# Allegro board 8880F5-0823_9.brd (continued)
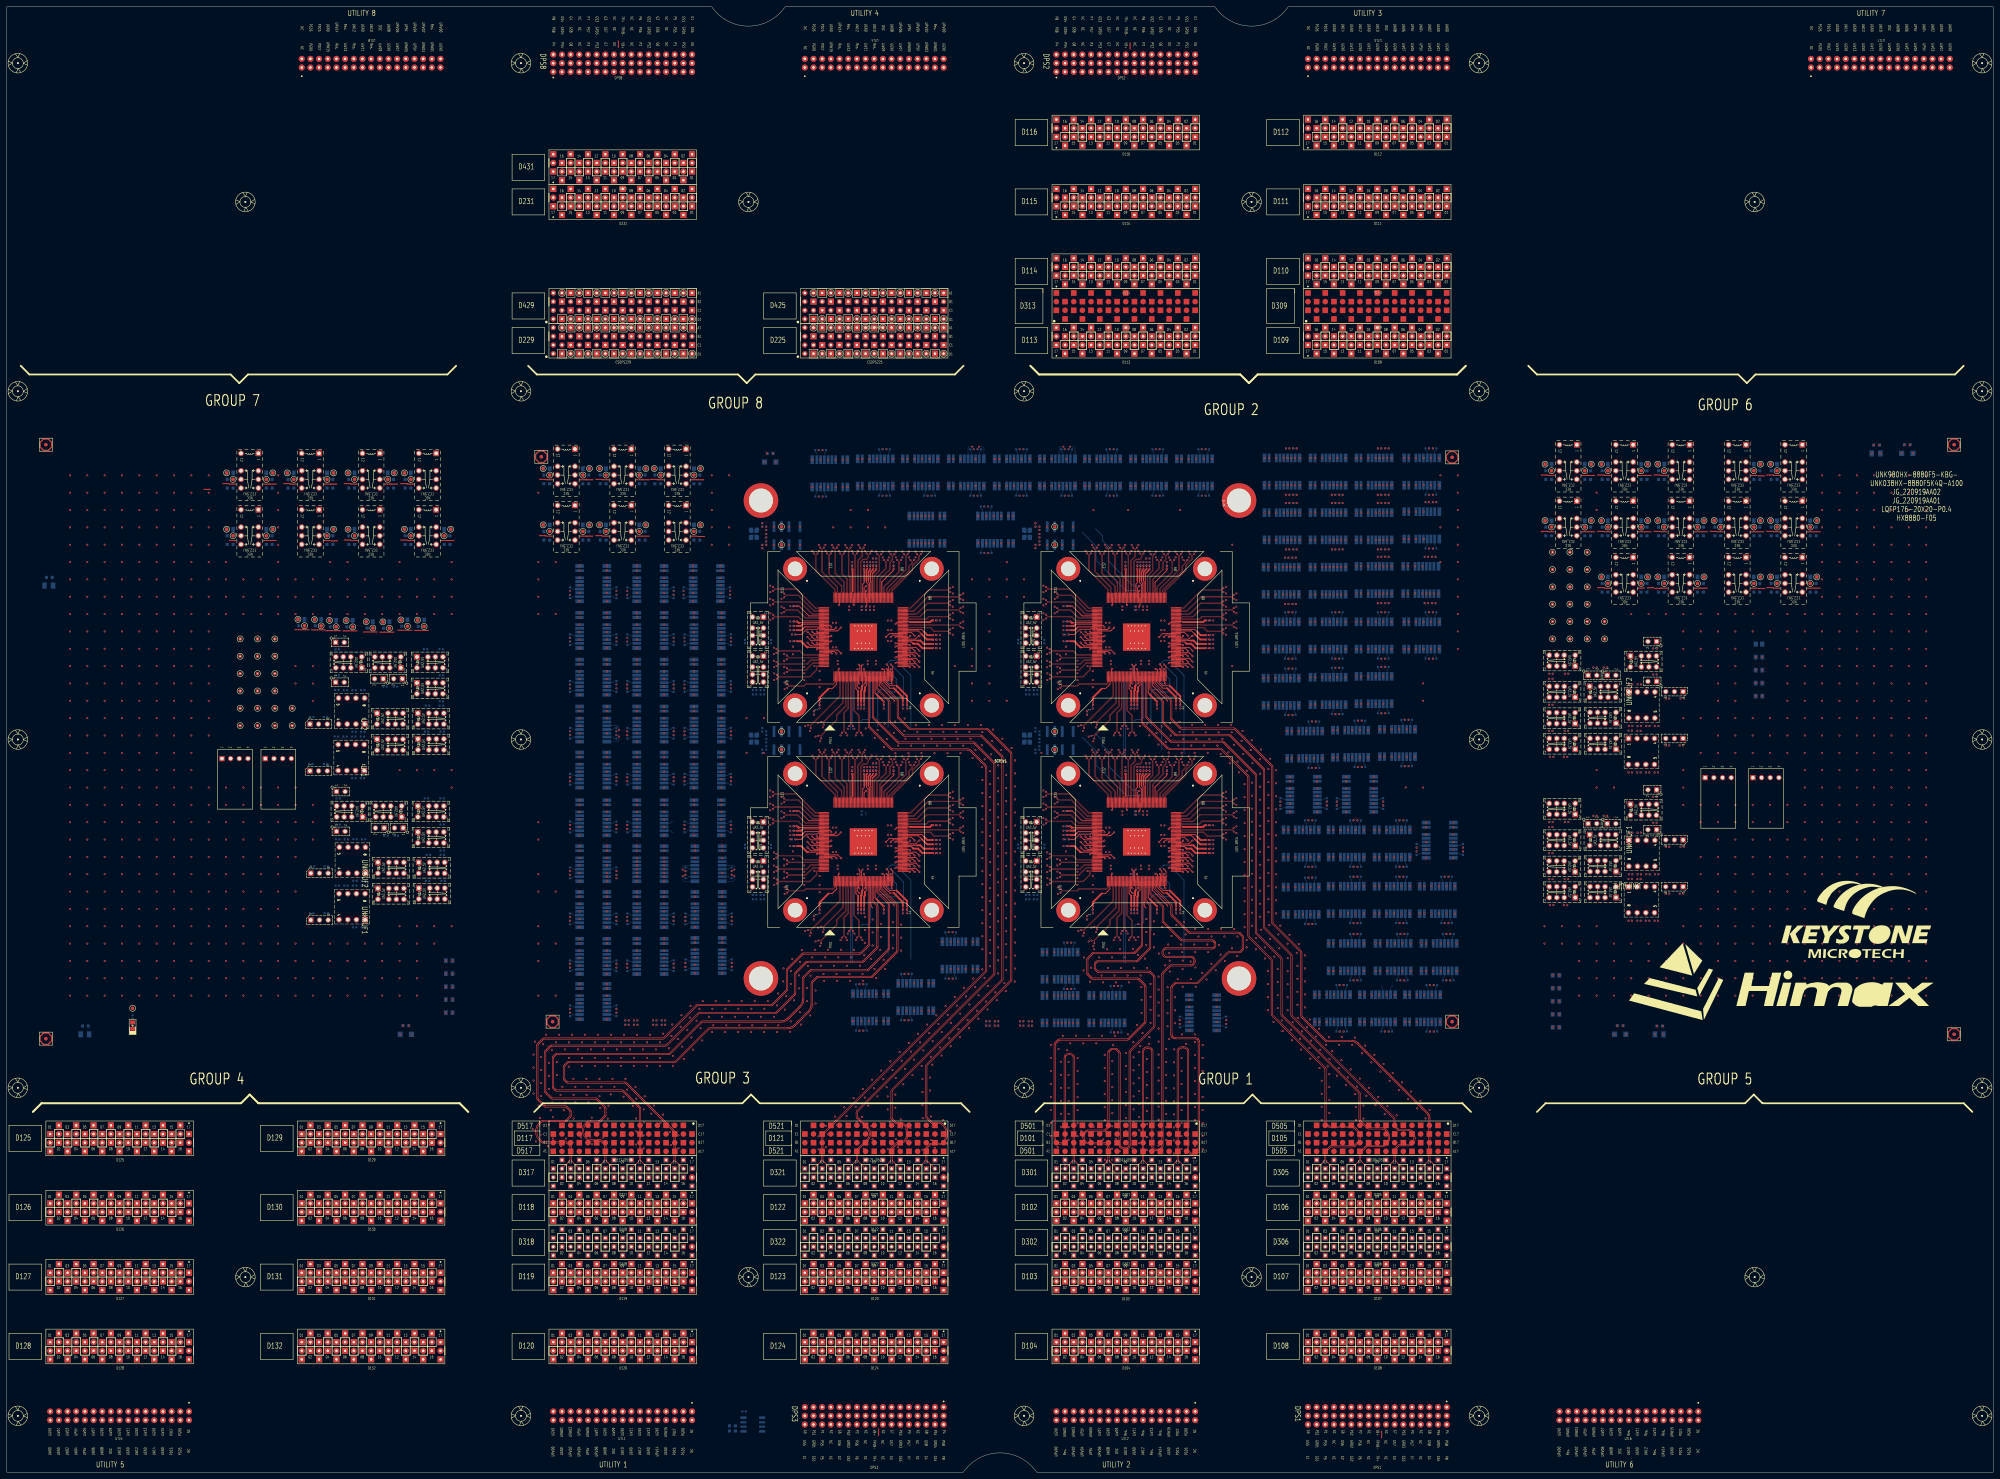
[diagram p0: board, top side]
## Placement (name value [footprint] x y rotation side) (continued)
NOREF  -  []  392.24 199.18 90 top
NOREF#2  -  []  383.09 241.11 0 top
NOREF#3  -  []  199.59 230.19 90 top
NOREF#4  -  []  175.7 168.6 90 top
NOREF#5  -  []  259.65 204.65 90 top
NOREF#6  -  []  182.82 230.19 90 top
NOREF#7  -  []  299.81 213.69 90 top
NOREF#8  -  []  211.11 173.86 90 top
NOREF#9  -  []  216.96 180.71 0 top
NOREF#10  -  []  230.43 183.09 0 top
NOREF#11  -  []  175.7 141.67 90 top
NOREF#12  -  []  337.9 186.35 90 top
NOREF#13  -  []  450.03 191.31 0 top
NOREF#14  -  []  327.89 264.35 90 top
NOREF#15  -  []  333.4 205.55 0 top
NOREF#16  -  []  468.85 259.9 90 top
NOREF#17  -  []  167.7 147.28 90 top
NOREF#18  -  []  222.11 240.71 0 top
NOREF#19  -  []  471.11 230.2 0 top
NOREF#20  -  []  192.57 187.82 90 top
NOREF#21  -  []  208.98 259.8 90 top
NOREF#22  -  []  263.95 224.74 90 top
NOREF#23  -  []  246.63 130.24 90 top
NOREF#24  -  []  417.87 257.37 0 top
NOREF#25  -  []  184.89 254.6 90 top
NOREF#26  -  []  339.65 264.65 90 top
NOREF#27  -  []  167.7 255.15 90 top
NOREF#28  -  []  352.55 189.5 0 top
NOREF#29  -  []  385.61 208.66 90 top
NOREF#30  -  []  309.21 248.88 0 top
NOREF#31  -  []  230.43 248.88 90 top
NOREF#32  -  []  182.57 240.28 0 top
NOREF#33  -  []  456.04 179.06 0 top
NOREF#34  -  []  259.97 264.35 90 top
NOREF#35  -  []  369.38 241.11 0 top
NOREF#36  -  []  331.62 205.56 0 top
NOREF#37  -  []  461.96 210.36 0 top
NOREF#38  -  []  333.72 265.86 90 top
NOREF#39  -  []  107.02 179.19 0 top
NOREF#40  -  []  165.8 158.5 0 top
NOREF#41  -  []  398.65 209.36 90 top
NOREF#42  -  []  337.09 223.52 90 top
NOREF#43  -  []  333.72 204.65 90 top
NOREF#44  -  []  394.66 290.39 90 top
NOREF#45  -  []  127.55 219.13 90 top
NOREF#46  -  []  309.21 246.34 0 top
NOREF#47  -  []  259.45 288.86 90 top
NOREF#48  -  []  377.32 188.15 0 top
NOREF#49  -  []  118.74 210.19 90 top
NOREF#50  -  []  259.65 205.86 90 top
NOREF#51  -  []  165.8 212.85 90 top
NOREF#52  -  []  252.51 265.55 0 top
NOREF#53  -  []  352.24 189.18 90 top
NOREF#54  -  []  386.33 207.21 90 top
NOREF#55  -  []  424.47 163.19 90 top
NOREF#56  -  []  375.22 180.15 0 top
NOREF#57  -  []  199.59 158.5 90 top
NOREF#58  -  []  230.43 188.88 90 top
NOREF#59  -  []  230.73 193.69 0 top
NOREF#60  -  []  259.33 205.55 0 top
NOREF#61  -  []  111.54 287.84 90 top
NOREF#62  -  []  351.04 242.96 0 top
NOREF#63  -  []  397.38 146.88 90 top
NOREF#64  -  []  168.69 276.04 90 top
NOREF#65  -  []  237.66 224.72 0 top
NOREF#66  -  []  401.52 210.88 90 top
NOREF#67  -  []  254.29 264.35 90 top
NOREF#68  -  []  192.57 256.4 90 top
NOREF#69  -  []  309.21 253.37 0 top
NOREF#70  -  []  382.82 180.15 0 top
NOREF#71  -  []  263.31 164.74 0 top
NOREF#72  -  []  247.57 264.65 90 top
NOREF#73  -  []  251.05 264.65 90 top
NOREF#74  -  []  209.23 202.99 90 top
NOREF#75  -  []  327.25 265.55 0 top
NOREF#76  -  []  271.04 244.23 0 top
NOREF#77  -  []  302.71 132.91 90 top
NOREF#78  -  []  118.99 171.65 0 top
NOREF#79  -  []  410.52 289.12 0 top
NOREF#80  -  []  272.55 185.18 0 top
NOREF#81  -  []  352.25 184.23 0 top
NOREF#82  -  []  373.68 249.11 0 top
NOREF#83  -  []  456.08 214.96 0 top
NOREF#84  -  []  419.9 240.56 90 top
NOREF#85  -  []  272.25 242.96 0 top
NOREF#86  -  []  253.4 265.55 0 top
NOREF#87  -  []  373.68 232.6 0 top
NOREF#88  -  []  199.33 226.57 90 top
NOREF#89  -  []  275.82 296.86 0 top
NOREF#90  -  []  249.6 223.52 90 top
NOREF#91  -  []  310.43 243.09 90 top
NOREF#92  -  []  217.41 273.24 0 top
NOREF#93  -  []  167.7 233.47 90 top
NOREF#94  -  []  327.7 131.09 90 top
NOREF#95  -  []  250.18 242.88 0 top
NOREF#96  -  []  192.47 168.6 90 top
NOREF#97  -  []  390.94 273.16 90 top
NOREF#98  -  []  390.69 273.11 0 top
NOREF#99  -  []  401.89 180.15 0 top
NOREF#100  -  []  237.2 296.61 0 top
NOREF#101  -  []  289.29 296.86 0 top
NOREF#102  -  []  194.09 255.9 90 top
NOREF#103  -  []  319.33 176.03 0 top
NOREF#104  -  []  121.9 231.22 0 top
NOREF#105  -  []  451.68 239.34 0 top
NOREF#106  -  []  166.06 216.47 90 top
NOREF#107  -  []  451.68 186.77 0 top
NOREF#108  -  []  405.93 272.56 90 top
NOREF#109  -  []  405.93 224.56 90 top
NOREF#110  -  []  407.77 255.47 0 top
NOREF#111  -  []  209.23 246.08 90 top
NOREF#112  -  []  300.36 248.49 0 top
NOREF#113  -  []  94.68 234.24 0 top
NOREF#114  -  []  317.05 288.86 0 top
NOREF#115  -  []  392.47 224.4 90 top
NOREF#116  -  []  403.41 209.61 0 top
NOREF#117  -  []  124.1 231.22 0 top
NOREF#118  -  []  182.57 185.42 0 top
NOREF#119  -  []  374.34 210.38 90 top
NOREF#120  -  []  271.34 241.37 0 top
NOREF#121  -  []  261.63 195.43 90 top
NOREF#122  -  []  375.73 199.18 90 top
NOREF#123  -  []  396.55 225.11 0 top
NOREF#124  -  []  392.04 241.11 90 top
NOREF#125  -  []  290.64 288.86 0 top
NOREF#126  -  []  341.48 286.96 0 top
NOREF#127  -  []  310.83 164.63 0 top
NOREF#128  -  []  250.5 288.86 0 top
NOREF#129  -  []  393.19 271.21 90 top
NOREF#130  -  []  395.2 249.11 0 top
NOREF#131  -  []  328.33 247.93 0 top
NOREF#132  -  []  366.88 239.21 0 top
NOREF#133  -  []  317.57 269.63 90 top
NOREF#134  -  []  405.93 240.66 90 top
NOREF#135  -  []  310.43 189.52 0 top
NOREF#136  -  []  379 288.57 90 top
NOREF#137  -  []  184.47 159.65 0 top
NOREF#138  -  []  424.98 146.33 90 top
NOREF#139  -  []  253.4 205.56 90 top
NOREF#140  -  []  317.57 209.63 90 top
NOREF#141  -  []  209.49 150.83 90 top
NOREF#142  -  []  313.98 131.09 90 top
NOREF#143  -  []  236.27 289.16 90 top
NOREF#144  -  []  278.6 147.38 0 top
NOREF#145  -  []  419.4 171.64 0 top
NOREF#146  -  []  184.47 260.9 90 top
NOREF#147  -  []  318.3 164.74 90 top
NOREF#148  -  []  319.15 296.86 0 top
NOREF#149  -  []  249.28 165.04 90 top
NOREF#150  -  []  392.24 199.18 90 top
NOREF#151  -  []  343.31 164.74 0 top
NOREF#152  -  []  75.98 290.38 90 top
NOREF#153  -  []  373.93 281.11 0 top
NOREF#154  -  []  241.6 296.61 0 top
NOREF#155  -  []  367.73 290.39 90 top
NOREF#156  -  []  327.7 131.19 90 top
NOREF#157  -  []  250.18 182.88 0 top
NOREF#158  -  []  327.57 205.86 90 top
NOREF#159  -  []  272.55 189.5 0 top
NOREF#160  -  []  316.43 132.91 90 top
NOREF#161  -  []  230.43 188.88 90 top
NOREF#162  -  []  352.55 241.37 0 top
NOREF#163  -  []  369.38 241.11 0 top
NOREF#164  -  []  423.71 181.22 90 top
NOREF#165  -  []  390.53 146.88 0 top
NOREF#166  -  []  410.27 257.37 0 top
NOREF#167  -  []  230.73 186.66 0 top
NOREF#168  -  []  119.99 214.79 0 top
NOREF#169  -  []  387.08 154.88 0 top
NOREF#170  -  []  352.24 243.59 90 top
NOREF#171  -  []  209.23 222.95 90 top
NOREF#172  -  []  118.74 215.34 0 top
NOREF#173  -  []  390.53 188.15 0 top
NOREF#174  -  []  167.7 186.57 0 top
NOREF#175  -  []  66.26 290.38 90 top
NOREF#176  -  []  106.29 174.19 90 top
NOREF#177  -  []  463.11 230.2 0 top
NOREF#178  -  []  327.57 264.65 90 top
NOREF#179  -  []  377.23 289.12 0 top
NOREF#180  -  []  175.7 246.08 90 top
NOREF#181  -  []  238.3 288.61 0 top
NOREF#182  -  []  412.62 241.11 0 top
NOREF#183  -  []  247.25 265.55 0 top
NOREF#184  -  []  342.36 163.82 90 top
NOREF#185  -  []  331.54 252.73 90 top
NOREF#186  -  []  310.41 193.37 90 top
NOREF#187  -  []  251.62 205.56 90 top
NOREF#188  -  []  199.33 226.57 0 top
NOREF#189  -  []  386.53 181.42 90 top
NOREF#190  -  []  106.11 234.24 0 top
NOREF#191  -  []  201.49 173.11 90 top
NOREF#192  -  []  392.66 192.88 90 top
NOREF#193  -  []  253.33 241.33 90 top
NOREF#194  -  []  194.09 146.68 90 top
NOREF#195  -  []  272.25 182.32 90 top
NOREF#196  -  []  405.93 288.57 90 top
NOREF#197  -  []  339.65 264.65 90 top
NOREF#198  -  []  184.47 227.72 90 top
NOREF#199  -  []  165.8 171.96 0 top
NOREF#200  -  []  334.29 265.56 0 top
NOREF#201  -  []  273.09 288.41 90 top
NOREF#202  -  []  424.55 146.88 90 top
NOREF#203  -  []  330.73 205.56 0 top
NOREF#204  -  []  461.86 230.75 0 top
NOREF#205  -  []  396.28 146.93 90 top
NOREF#206  -  []  351.04 245.5 0 top
NOREF#207  -  []  351.04 189.82 0 top
NOREF#208  -  []  397.8 163.09 90 top
NOREF#209  -  []  327.57 264.65 90 top
NOREF#210  -  []  251.05 265.86 90 top
NOREF#211  -  []  384.59 179.7 90 top
NOREF#212  -  []  338.2 186.67 0 top
NOREF#213  -  []  309.21 243.09 0 top
NOREF#214  -  []  168.13 254.6 90 top
NOREF#215  -  []  331.38 223.52 90 top
NOREF#216  -  []  118.7 222.88 0 top
NOREF#217  -  []  256.77 223.82 90 top
NOREF#218  -  []  293.31 272.1 0 top
NOREF#219  -  []  471.21 211.76 0 top
NOREF#220  -  []  247.78 140.14 0 top
NOREF#221  -  []  326.43 288.41 90 top
NOREF#222  -  []  184.47 149.48 90 top
NOREF#223  -  []  403.41 209.61 0 top
NOREF#224  -  []  259.97 204.35 90 top
NOREF#225  -  []  352.25 242.32 90 top
NOREF#226  -  []  383.73 198.08 90 top
NOREF#227  -  []  400.54 171.64 0 top
NOREF#228  -  []  230.43 193.37 90 top
NOREF#229  -  []  182.82 175.58 90 top
NOREF#230  -  []  384.08 209.16 90 top
NOREF#231  -  []  368.03 249.11 0 top
NOREF#232  -  []  259.33 265.56 0 top
NOREF#233  -  []  175.7 216.45 90 top
NOREF#234  -  []  295.19 271.65 90 top
NOREF#235  -  []  473.79 239.64 0 top
NOREF#236  -  []  375.22 180.15 0 top
NOREF#237  -  []  397.8 146.43 90 top
NOREF#238  -  []  122.15 222.33 0 top
NOREF#239  -  []  248.33 187.93 0 top
NOREF#240  -  []  339.46 288.86 90 top
NOREF#241  -  []  201.66 213.45 90 top
NOREF#242  -  []  119.95 195.15 0 top
NOREF#243  -  []  201.23 247.18 90 top
NOREF#244  -  []  463.61 171.53 0 top
NOREF#245  -  []  286.81 272.1 0 top
NOREF#246  -  []  251.05 204.65 90 top
NOREF#247  -  []  299.81 273.69 90 top
NOREF#248  -  []  398.53 178.25 90 top
NOREF#249  -  []  511.59 291.28 90 top
NOREF#250  -  []  343.83 231.63 90 top
NOREF#251  -  []  201.23 187.92 90 top
NOREF#252  -  []  251.62 205.55 0 top
NOREF#253  -  []  108.27 178.64 0 top
NOREF#254  -  []  192.47 209.49 90 top
NOREF#255  -  []  422.95 163.69 90 top
NOREF#256  -  []  259.33 265.55 0 top
NOREF#257  -  []  251.94 205.86 90 top
NOREF#258  -  []  253.4 205.55 0 top
NOREF#259  -  []  284.36 272.1 90 top
NOREF#260  -  []  395.2 281.11 0 top
NOREF#261  -  []  110.47 178.64 0 top
NOREF#262  -  []  118.7 217.73 90 top
NOREF#263  -  []  184.47 178.86 90 top
NOREF#264  -  []  380.59 255.21 0 top
NOREF#265  -  []  119.95 222.33 0 top
NOREF#266  -  []  184.47 163.2 90 top
NOREF#267  -  []  330.51 288.86 0 top
NOREF#268  -  []  229.51 249.2 0 top
NOREF#269  -  []  279.27 288.86 0 top
NOREF#270  -  []  448.94 290.38 90 top
NOREF#271  -  []  310.43 248.88 90 top
NOREF#272  -  []  385.19 265.11 0 top
NOREF#273  -  []  263.63 225.04 90 top
NOREF#274  -  []  419.47 273.37 90 top
NOREF#275  -  []  252.51 205.56 90 top
NOREF#276  -  []  399.99 164.91 90 top
NOREF#277  -  []  127.3 235.64 90 top
NOREF#278  -  []  115.36 235.64 90 top
NOREF#279  -  []  329.6 224.74 90 top
NOREF#280  -  []  222.11 180.71 0 top
NOREF#281  -  []  166.06 175.58 90 top
NOREF#282  -  []  396.55 225.11 0 top
NOREF#283  -  []  411.99 178.25 90 top
NOREF#284  -  []  310.41 187.61 90 top
NOREF#285  -  []  252.51 204.35 90 top
NOREF#286  -  []  124.64 171.1 0 top
NOREF#287  -  []  339.33 265.56 90 top
NOREF#288  -  []  410.52 241.11 0 top
NOREF#289  -  []  201.23 242.78 90 top
NOREF#290  -  []  408.02 271.47 0 top
NOREF#291  -  []  388.43 180.15 0 top
NOREF#292  -  []  450.03 182.17 0 top
NOREF#293  -  []  258.2 186.67 0 top
NOREF#294  -  []  394.05 223.21 0 top
NOREF#295  -  []  415.1 163.64 0 top
NOREF#296  -  []  314.55 286.96 0 top
NOREF#297  -  []  410.52 241.11 0 top
NOREF#298  -  []  451.68 171.53 0 top
NOREF#299  -  []  256.77 163.82 90 top
NOREF#300  -  []  391.8 209.36 0 top
NOREF#301  -  []  250.73 205.55 0 top
NOREF#302  -  []  374.88 217.11 0 top
NOREF#303  -  []  390.59 195.9 90 top
NOREF#304  -  []  327.25 264.35 90 top
NOREF#305  -  []  224.65 271.67 0 top
NOREF#306  -  []  261.42 135.74 90 top
NOREF#307  -  []  209.23 195.52 90 top
NOREF#308  -  []  385.19 273.11 0 top
NOREF#309  -  []  175.8 215.25 90 top
NOREF#310  -  []  201.49 149.73 90 top
NOREF#311  -  []  456.08 239.34 0 top
NOREF#312  -  []  320.42 131.64 0 top
NOREF#313  -  []  511.59 257.36 90 top
NOREF#314  -  []  250.49 163.52 90 top
NOREF#315  -  []  228.36 202.16 45 top
NOREF#316  -  []  339.65 204.65 90 top
NOREF#317  -  []  122.15 195.15 0 top
NOREF#318  -  []  272.24 241.05 90 top
NOREF#319  -  []  184.47 256.5 90 top
NOREF#320  -  []  337.09 164.74 90 top
NOREF#321  -  []  235.85 296.61 0 top
NOREF#322  -  []  463.61 179.15 0 top
NOREF#323  -  []  175.7 218.65 90 top
NOREF#324  -  []  242.23 233.13 90 top
NOREF#325  -  []  184.47 165.4 90 top
NOREF#326  -  []  451.68 186.77 0 top
NOREF#327  -  []  393.31 131.89 90 top
NOREF#328  -  []  332.51 264.35 90 top
NOREF#329  -  []  124.39 214.79 0 top
NOREF#330  -  []  96.58 195.15 0 top
NOREF#331  -  []  309.51 243.41 0 top
NOREF#332  -  []  192.57 147.18 90 top
NOREF#333  -  []  310.43 246.34 90 top
NOREF#334  -  []  165.8 158.5 90 top
NOREF#335  -  []  402.14 146.88 0 top
NOREF#336  -  []  341.63 255.43 90 top
NOREF#337  -  []  409.49 180.15 0 top
NOREF#338  -  []  387.39 265.11 0 top
NOREF#339  -  []  331.94 264.65 90 top
NOREF#340  -  []  200.98 260.9 90 top
NOREF#341  -  []  209.23 191.22 90 top
NOREF#342  -  []  301.56 242.89 0 top
NOREF#343  -  []  383.09 224.85 0 top
NOREF#344  -  []  344.37 128.27 0 top
NOREF#345  -  []  118.96 174.04 90 top
NOREF#346  -  []  352.24 249.18 90 top
NOREF#347  -  []  167.7 242.78 90 top
NOREF#348  -  []  172.08 272.6 90 top
NOREF#349  -  []  336.45 224.74 0 top
NOREF#350  -  []  471.21 175.95 0 top
NOREF#351  -  []  230.43 187.61 90 top
NOREF#352  -  []  271.34 182.64 0 top
NOREF#353  -  []  388.43 163.64 0 top
NOREF#354  -  []  184.47 215.35 90 top
NOREF#355  -  []  273.81 286.96 90 top
NOREF#356  -  []  559.43 297.18 90 top
NOREF#357  -  []  209.23 250.38 90 top
NOREF#358  -  []  263.95 163.52 90 top
NOREF#359  -  []  336.77 165.04 90 top
NOREF#360  -  []  306.27 216.63 90 top
NOREF#361  -  []  393.74 131.44 90 top
NOREF#362  -  []  201.49 178.86 90 top
NOREF#363  -  []  272.25 182.96 0 top
NOREF#364  -  []  254.61 264.65 90 top
NOREF#365  -  []  379.52 171.39 0 top
NOREF#366  -  []  93.76 271.33 90 top
NOREF#367  -  []  247.25 205.56 0 top
NOREF#368  -  []  209.33 242.68 90 top
NOREF#369  -  []  333.4 265.55 0 top
NOREF#370  -  []  192.57 201.79 90 top
NOREF#371  -  []  327.25 205.55 0 top
NOREF#372  -  []  201.23 201.89 90 top
NOREF#373  -  []  459.28 211.76 0 top
NOREF#374  -  []  351.04 184.23 0 top
NOREF#375  -  []  264.29 280.1 0 top
NOREF#376  -  []  459.28 227 90 top
NOREF#377  -  []  306.83 209.63 90 top
NOREF#378  -  []  247.89 264.35 90 top
NOREF#379  -  []  465.45 276.41 90 top
NOREF#380  -  []  397.8 163.19 90 top
NOREF#381  -  []  209.49 175.56 90 top
NOREF#382  -  []  385.18 209.11 90 top
NOREF#383  -  []  388.35 217.36 0 top
NOREF#384  -  []  201.23 231.27 90 top
NOREF#385  -  []  384.36 131.89 0 top
NOREF#386  -  []  216.96 252.14 0 top
NOREF#387  -  []  184.47 247.18 90 top
NOREF#388  -  []  310.43 247.61 0 top
NOREF#389  -  []  320.42 139.64 0 top
NOREF#390  -  []  409.49 163.64 0 top
NOREF#391  -  []  165.8 254 90 top
NOREF#392  -  []  250.73 205.56 90 top
NOREF#393  -  []  184.47 192.32 90 top
NOREF#394  -  []  271.04 241.69 0 top
NOREF#395  -  []  251.54 192.73 90 top
NOREF#396  -  []  388.43 146.88 0 top
NOREF#397  -  []  339.33 265.56 0 top
NOREF#398  -  []  369.63 289.12 0 top
NOREF#399  -  []  175.7 177.76 90 top
NOREF#400  -  []  399.07 208.91 90 top
NOREF#401  -  []  229.51 186.66 0 top
NOREF#402  -  []  352.25 245.5 0 top
NOREF#403  -  []  410.78 131.89 0 top
NOREF#404  -  []  309.51 187.93 0 top
NOREF#405  -  []  116.27 171.02 0 top
NOREF#406  -  []  461.96 210.36 0 top
NOREF#407  -  []  272.55 182.64 0 top
NOREF#408  -  []  398.65 297.12 0 top
NOREF#409  -  []  272.25 183.59 90 top
NOREF#410  -  []  251.06 225.04 90 top
NOREF#411  -  []  271.04 249.18 0 top
NOREF#412  -  []  296.96 252.14 0 top
NOREF#413  -  []  201.23 241.43 0 top
NOREF#414  -  []  461.86 230.75 0 top
NOREF#415  -  []  465.31 230.2 0 top
NOREF#416  -  []  234.7 298.51 0 top
NOREF#417  -  []  270.04 280.1 0 top
NOREF#418  -  []  262.36 225.04 90 top
NOREF#419  -  []  401.89 180.15 0 top
NOREF#420  -  []  245.15 288.66 90 top
NOREF#421  -  []  310.43 193.37 90 top
NOREF#422  -  []  346.08 288.86 0 top
NOREF#423  -  []  108.01 222.33 0 top
NOREF#424  -  []  272.66 288.86 90 top
NOREF#425  -  []  406.65 255.47 90 top
NOREF#426  -  []  379.01 272.66 90 top
NOREF#427  -  []  343.83 171.63 90 top
NOREF#428  -  []  182.57 240.28 90 top
NOREF#429  -  []  462.06 291.28 90 top
NOREF#430  -  []  199.84 162.12 90 top
NOREF#431  -  []  184.47 260.9 90 top
NOREF#432  -  []  385.36 194.18 90 top
NOREF#433  -  []  201.21 292.55 90 top
NOREF#434  -  []  400.24 198.08 90 top
NOREF#435  -  []  127.55 184.33 90 top
NOREF#436  -  []  412.88 131.89 0 top
NOREF#437  -  []  330.49 224.74 90 top
NOREF#438  -  []  252.43 132.14 0 top
NOREF#439  -  []  194.09 214.75 90 top
NOREF#440  -  []  208.98 257.6 90 top
NOREF#441  -  []  485.36 289.48 90 top
NOREF#442  -  []  408.02 287.22 0 top
NOREF#443  -  []  330.74 164.74 0 top
NOREF#444  -  []  251.38 163.52 90 top
NOREF#445  -  []  409.74 180.2 90 top
NOREF#446  -  []  184.47 206.29 90 top
NOREF#447  -  []  331.38 224.74 90 top
NOREF#448  -  []  341.63 173.83 90 top
NOREF#449  -  []  167.7 192.32 90 top
NOREF#450  -  []  378.75 224.15 90 top
NOREF#451  -  []  384.36 131.89 0 top
NOREF#452  -  []  420.88 129.99 90 top
NOREF#453  -  []  257.09 223.52 90 top
NOREF#454  -  []  167.7 227.72 90 top
NOREF#455  -  []  182.57 171.96 0 top
NOREF#456  -  []  397.38 180.15 90 top
NOREF#457  -  []  406.19 171.64 0 top
NOREF#458  -  []  390.53 154.88 0 top
NOREF#459  -  []  453.88 239.34 0 top
NOREF#460  -  []  330.73 265.56 0 top
NOREF#461  -  []  399.07 208.81 90 top
NOREF#462  -  []  289.01 272.1 0 top
NOREF#463  -  []  460.89 217.9 90 top
NOREF#464  -  []  317.05 288.86 0 top
NOREF#465  -  []  518.38 290.38 90 top
NOREF#466  -  []  317.98 225.04 90 top
NOREF#467  -  []  192.47 246.08 90 top
NOREF#468  -  []  338.2 246.67 0 top
NOREF#469  -  []  485.36 259.9 90 top
NOREF#470  -  []  336.77 163.82 90 top
NOREF#471  -  []  324.65 288.86 0 top
NOREF#472  -  []  182.57 158.5 90 top
NOREF#473  -  []  274.37 147.93 90 top
NOREF#474  -  []  415.1 163.64 0 top
NOREF#475  -  []  392.47 256.66 90 top
NOREF#476  -  []  337.09 163.52 90 top
NOREF#477  -  []  182.57 254 0 top
NOREF#478  -  []  286.55 288.41 90 top
NOREF#479  -  []  383.09 241.11 0 top
NOREF#480  -  []  250.49 224.74 90 top
NOREF#481  -  []  420.62 239.21 90 top
NOREF#482  -  []  461.86 225.6 90 top
NOREF#483  -  []  219.81 273.69 90 top
NOREF#484  -  []  331.05 204.65 90 top
NOREF#485  -  []  239.33 176.03 0 top
NOREF#486  -  []  459.28 192.71 0 top
NOREF#487  -  []  332.83 204.65 90 top
NOREF#488  -  []  271.04 249.82 0 top
NOREF#489  -  []  250.73 205.56 0 top
NOREF#490  -  []  282.9 147.38 0 top
NOREF#491  -  []  294.94 296.86 0 top
NOREF#492  -  []  223.56 245.29 90 top
NOREF#493  -  []  332.83 264.65 90 top
NOREF#494  -  []  403.99 171.64 0 top
NOREF#495  -  []  424.98 146.43 90 top
NOREF#496  -  []  459.28 183.57 0 top
NOREF#497  -  []  252.51 205.55 0 top
NOREF#498  -  []  329.85 164.74 0 top
NOREF#499  -  []  410.52 273.37 0 top
NOREF#500  -  []  182.82 216.47 90 top
NOREF#501  -  []  394.66 274.38 90 top
NOREF#502  -  []  302.11 240.71 0 top
NOREF#503  -  []  317.66 224.74 0 top
NOREF#504  -  []  343.95 223.52 90 top
NOREF#505  -  []  297.41 213.24 0 top
NOREF#506  -  []  396.55 289.12 0 top
NOREF#507  -  []  317.83 257.63 0 top
NOREF#508  -  []  251.62 205.56 0 top
NOREF#509  -  []  327.57 204.65 90 top
NOREF#510  -  []  288.14 286.96 0 top
NOREF#511  -  []  172.08 275.14 90 top
NOREF#512  -  []  175.8 242.68 90 top
NOREF#513  -  []  247.57 265.86 90 top
NOREF#514  -  []  401.89 163.64 0 top
NOREF#515  -  []  101.82 273.87 90 top
NOREF#516  -  []  231.15 159.63 90 top
NOREF#517  -  []  332.51 265.56 90 top
NOREF#518  -  []  251.38 223.52 90 top
NOREF#519  -  []  219.81 213.69 90 top
NOREF#520  -  []  352.25 243.59 90 top
NOREF#521  -  []  306.71 139.64 0 top
NOREF#522  -  []  128.05 271.33 90 top
NOREF#523  -  []  411.99 161.74 90 top
NOREF#524  -  []  465.81 171.53 0 top
NOREF#525  -  []  412.79 209.06 90 top
NOREF#526  -  []  381.74 249.11 0 top
NOREF#527  -  []  221.56 179.06 0 top
NOREF#528  -  []  479.44 239.09 0 top
NOREF#529  -  []  351.04 249.82 0 top
NOREF#530  -  []  303.84 288.86 0 top
NOREF#531  -  []  306.71 152.34 0 top
NOREF#532  -  []  175.8 201.79 90 top
NOREF#533  -  []  175.7 243.88 90 top
NOREF#534  -  []  221.87 295.91 0 top
NOREF#535  -  []  413.2 164.91 90 top
NOREF#536  -  []  309.21 247.61 0 top
NOREF#537  -  []  271.34 242.64 0 top
NOREF#538  -  []  485.36 257.36 90 top
NOREF#539  -  []  381.2 290.39 90 top
NOREF#540  -  []  127.95 222.33 0 top
NOREF#541  -  []  392.47 288.57 90 top
NOREF#542  -  []  398.65 289.12 0 top
NOREF#543  -  []  184.89 172.56 90 top
NOREF#544  -  []  35.83 132.61 0 top
NOREF#545  -  []  253.72 264.65 90 top
NOREF#546  -  []  463.11 186.77 0 top
NOREF#547  -  []  184.89 240.88 90 top
NOREF#548  -  []  230.73 189.2 0 top
NOREF#549  -  []  411.26 209.66 90 top
NOREF#550  -  []  284.77 288.86 0 top
NOREF#551  -  []  254.29 265.56 90 top
NOREF#552  -  []  475.04 195.66 0 top
NOREF#553  -  []  309.05 211.67 0 top
NOREF#554  -  []  250.74 164.74 0 top
NOREF#555  -  []  334.61 204.65 90 top
NOREF#556  -  []  175.8 256.4 90 top
NOREF#557  -  []  342.08 290.13 90 top
NOREF#558  -  []  167.7 244.98 90 top
NOREF#559  -  []  241.82 167.13 90 top
NOREF#560  -  []  108.01 195.15 0 top
NOREF#561  -  []  369.38 257.11 0 top
NOREF#562  -  []  230.43 243.09 0 top
NOREF#563  -  []  468.01 214.96 0 top
NOREF#564  -  []  306.85 211.67 0 top
NOREF#565  -  []  397.57 131.89 0 top
NOREF#566  -  []  218.13 214.06 0 top
NOREF#567  -  []  309.51 183.41 0 top
NOREF#568  -  []  371.73 281.11 0 top
NOREF#569  -  []  330.74 164.72 0 top
NOREF#570  -  []  238.3 163.52 90 top
NOREF#571  -  []  230.43 183.09 90 top
NOREF#572  -  []  295.96 177.06 0 top
NOREF#573  -  []  167.7 176.66 90 top
NOREF#574  -  []  200.98 256.5 90 top
NOREF#575  -  []  223.56 233.86 90 top
NOREF#576  -  []  199.59 158.5 0 top
NOREF#577  -  []  339.89 288.41 90 top
NOREF#578  -  []  230.83 224.63 0 top
NOREF#579  -  []  404.15 225.11 0 top
NOREF#580  -  []  392.73 171.64 0 top
NOREF#581  -  []  290.11 280.1 0 top
NOREF#582  -  []  471.21 168.33 90 top
NOREF#583  -  []  384.59 162.84 90 top
NOREF#584  -  []  346.08 296.86 0 top
NOREF#585  -  []  285.02 288.91 90 top
NOREF#586  -  []  306.71 144.34 0 top
NOREF#587  -  []  251.62 264.35 90 top
NOREF#588  -  []  101.82 271.33 90 top
NOREF#589  -  []  167.7 217.55 90 top
NOREF#590  -  []  401.89 163.64 0 top
NOREF#591  -  []  230.43 193.37 90 top
NOREF#592  -  []  302.11 129.74 0 top
NOREF#593  -  []  229.21 246.34 0 top
NOREF#594  -  []  352.25 249.18 90 top
NOREF#595  -  []  122.41 178.64 0 top
NOREF#596  -  []  390.69 224.85 0 top
NOREF#597  -  []  310.43 248.88 0 top
NOREF#598  -  []  260.55 136.46 90 top
NOREF#599  -  []  378.33 257.11 90 top
NOREF#600  -  []  218.16 177.06 0 top
NOREF#601  -  []  120.21 178.64 0 top
NOREF#602  -  []  387.39 297.12 0 top
NOREF#603  -  []  201.23 214 90 top
NOREF#604  -  []  250.73 265.56 0 top
NOREF#605  -  []  115.36 235.64 0 top
NOREF#606  -  []  272.25 242.32 90 top
NOREF#607  -  []  168.13 145.38 90 top
NOREF#608  -  []  369.38 241.11 0 top
NOREF#609  -  []  459.28 236.14 90 top
NOREF#610  -  []  418.37 241.16 90 top
NOREF#611  -  []  468.85 257.36 90 top
NOREF#612  -  []  167.7 134.07 90 top
NOREF#613  -  []  310.43 246.34 0 top
NOREF#614  -  []  412.62 289.12 0 top
NOREF#615  -  []  287.91 280.1 0 top
NOREF#616  -  []  303.15 271.32 90 top
NOREF#617  -  []  301.56 171.46 0 top
NOREF#618  -  []  463.61 214.96 0 top
NOREF#619  -  []  396.03 163.64 0 top
NOREF#620  -  []  412.62 273.37 0 top
NOREF#621  -  []  271.34 183.91 0 top
NOREF#622  -  []  378.33 241.11 90 top
NOREF#623  -  []  271.34 245.18 0 top
NOREF#624  -  []  167.7 178.86 90 top
NOREF#625  -  []  272.25 185.5 0 top
NOREF#626  -  []  375.22 180.15 0 top
NOREF#627  -  []  248.96 224.72 0 top
NOREF#628  -  []  456.08 195.91 0 top
NOREF#629  -  []  237.66 224.74 0 top
NOREF#630  -  []  453.88 195.91 0 top
NOREF#631  -  []  387.08 188.15 0 top
NOREF#632  -  []  221.56 239.06 0 top
NOREF#633  -  []  353.35 288.31 90 top
NOREF#634  -  []  271.04 185.5 0 top
NOREF#635  -  []  246.23 173.13 0 top
NOREF#636  -  []  311.69 288.91 90 top
NOREF#637  -  []  230.43 253.37 90 top
NOREF#638  -  []  336.45 164.72 0 top
NOREF#639  -  []  373.83 192.28 0 top
NOREF#640  -  []  310.73 183.41 0 top
NOREF#641  -  []  251.54 252.73 90 top
NOREF#642  -  []  343.63 163.82 90 top
NOREF#643  -  []  238.3 224.74 90 top
NOREF#644  -  []  386.46 139.89 0 top
NOREF#645  -  []  262.36 223.82 90 top
NOREF#646  -  []  342.04 224.74 0 top
NOREF#647  -  []  415.1 163.64 0 top
NOREF#648  -  []  399.64 144.98 0 top
NOREF#649  -  []  395.2 297.12 0 top
NOREF#650  -  []  385.93 144.98 0 top
NOREF#651  -  []  411.52 146.43 90 top
NOREF#652  -  []  251.62 265.56 90 top
NOREF#653  -  []  409.17 297.12 0 top
NOREF#654  -  []  369.38 224.6 0 top
NOREF#655  -  []  461.96 166.93 0 top
NOREF#656  -  []  168.13 172.56 90 top
NOREF#657  -  []  459.24 175.86 90 top
NOREF#658  -  []  450.03 166.93 0 top
NOREF#659  -  []  321.82 167.13 90 top
NOREF#660  -  []  167.7 192.32 90 top
NOREF#661  -  []  473.7 176.22 90 top
NOREF#662  -  []  331.38 163.52 90 top
NOREF#663  -  []  263.14 270.2 90 top
NOREF#664  -  []  330.17 223.82 90 top
NOREF#665  -  []  472.86 166.93 90 top
NOREF#666  -  []  378.33 217.11 0 top
NOREF#667  -  []  425.23 180.72 90 top
NOREF#668  -  []  167.7 145.93 0 top
NOREF#669  -  []  250.5 288.86 0 top
NOREF#670  -  []  405.93 240.56 90 top
NOREF#671  -  []  327.25 205.56 90 top
NOREF#672  -  []  220.36 188.49 0 top
NOREF#673  -  []  419.47 289.12 90 top
NOREF#674  -  []  313.94 286.96 90 top
NOREF#675  -  []  182.57 144.78 90 top
NOREF#676  -  []  221.56 171.46 0 top
NOREF#677  -  []  256.45 164.72 0 top
NOREF#678  -  []  209.33 201.79 90 top
NOREF#679  -  []  96.58 195.15 0 top
NOREF#680  -  []  419.9 272.92 90 top
NOREF#681  -  []  327.57 204.65 90 top
NOREF#682  -  []  217.41 213.24 90 top
NOREF#683  -  []  201.66 227.17 90 top
NOREF#684  -  []  379.48 255.21 90 top
NOREF#685  -  []  253.4 265.56 0 top
NOREF#686  -  []  344.37 128.27 90 top
NOREF#687  -  []  272.24 249.18 90 top
NOREF#688  -  []  331.62 265.56 0 top
NOREF#689  -  []  388.43 163.64 0 top
NOREF#690  -  []  352.55 249.5 0 top
NOREF#691  -  []  463.61 214.96 0 top
NOREF#692  -  []  400.91 207.71 0 top
NOREF#693  -  []  184.47 190.12 90 top
NOREF#694  -  []  272.24 182.32 90 top
NOREF#695  -  []  247.25 265.55 0 top
NOREF#696  -  []  341.63 233.83 90 top
NOREF#697  -  []  330.73 205.55 0 top
NOREF#698  -  []  419.64 256.82 90 top
NOREF#699  -  []  381.74 281.11 0 top
NOREF#700  -  []  222.11 192.14 0 top
NOREF#701  -  []  389.7 209.36 0 top
NOREF#702  -  []  409.17 249.11 0 top
NOREF#703  -  []  283.21 282 0 top
NOREF#704  -  []  252.51 264.35 90 top
NOREF#705  -  []  388.43 146.88 0 top
NOREF#706  -  []  408.02 239.21 0 top
NOREF#707  -  []  408.63 290.39 90 top
NOREF#708  -  []  385.61 208.56 90 top
NOREF#709  -  []  306.85 271.67 0 top
NOREF#710  -  []  312.25 211.67 90 top
NOREF#711  -  []  296.96 192.14 0 top
NOREF#712  -  []  310.73 189.2 0 top
NOREF#713  -  []  167.7 159.65 90 top
NOREF#714  -  []  117.33 247.35 90 top
NOREF#715  -  []  167.7 247.18 90 top
NOREF#716  -  []  300.36 188.49 0 top
NOREF#717  -  []  317.05 288.86 0 top
NOREF#718  -  []  201.49 174.46 90 top
NOREF#719  -  []  247.78 132.14 90 top
NOREF#720  -  []  409.99 146.93 90 top
NOREF#721  -  []  262.68 223.52 90 top
NOREF#722  -  []  201.23 206.29 90 top
NOREF#723  -  []  385.19 281.11 0 top
NOREF#724  -  []  317.98 223.82 90 top
NOREF#725  -  []  310.43 194.01 0 top
NOREF#726  -  []  262.68 164.74 90 top
NOREF#727  -  []  110.21 222.33 0 top
NOREF#728  -  []  273.5 148.65 90 top
NOREF#729  -  []  263.2 172.26 90 top
NOREF#730  -  []  239.33 236.03 90 top
NOREF#731  -  []  184.47 227.72 0 top
NOREF#732  -  []  398.65 225.11 0 top
NOREF#733  -  []  237.83 257.63 0 top
NOREF#734  -  []  88.64 247.45 90 top
NOREF#735  -  []  377.23 257.16 90 top
NOREF#736  -  []  327.27 131.64 90 top
NOREF#737  -  []  403.41 209.61 0 top
NOREF#738  -  []  304.61 144.34 0 top
NOREF#739  -  []  128.05 273.87 90 top
NOREF#740  -  []  331.86 252.43 90 top
NOREF#741  -  []  406.52 131.89 90 top
NOREF#742  -  []  369.63 289.12 0 top
NOREF#743  -  []  318.32 131.64 0 top
NOREF#744  -  []  115.87 167.82 90 top
NOREF#745  -  []  465.45 273.87 90 top
NOREF#746  -  []  251.62 265.55 0 top
NOREF#747  -  []  167.7 138.47 90 top
NOREF#748  -  []  175.7 205.19 90 top
NOREF#749  -  []  249.28 225.04 90 top
NOREF#750  -  []  254.29 205.55 0 top
NOREF#751  -  []  379.01 288.67 90 top
NOREF#752  -  []  182.57 226.57 0 top
NOREF#753  -  []  263.71 288.86 0 top
NOREF#754  -  []  351.34 241.37 0 top
NOREF#755  -  []  209.23 218.65 90 top
NOREF#756  -  []  167.7 260.9 90 top
NOREF#757  -  []  321.82 227.13 90 top
NOREF#758  -  []  165.8 171.96 90 top
NOREF#759  -  []  405.51 217.61 0 top
NOREF#760  -  []  108.01 222.33 0 top
NOREF#761  -  []  118.45 234.24 90 top
NOREF#762  -  []  175.8 174.36 90 top
NOREF#763  -  []  310.43 253.37 0 top
NOREF#764  -  []  66.26 287.84 90 top
NOREF#765  -  []  376.98 257.11 0 top
NOREF#766  -  []  250.17 163.82 90 top
NOREF#767  -  []  230.73 253.69 0 top
NOREF#768  -  []  217.83 234.63 90 top
NOREF#769  -  []  272.25 189.82 0 top
NOREF#770  -  []  302.11 252.14 0 top
NOREF#771  -  []  400.54 188.15 0 top
NOREF#772  -  []  354.08 286.96 90 top
NOREF#773  -  []  339.33 205.56 0 top
NOREF#774  -  []  400.85 265.37 0 top
NOREF#775  -  []  229.51 187.93 0 top
NOREF#776  -  []  392.47 272.56 90 top
NOREF#777  -  []  272.25 184.23 0 top
NOREF#778  -  []  200.98 258.7 90 top
NOREF#779  -  []  168.69 292.55 90 top
NOREF#780  -  []  351.04 185.5 0 top
NOREF#781  -  []  127.95 195.15 0 top
NOREF#782  -  []  266.74 143.19 0 top
NOREF#783  -  []  115.61 191.95 0 top
NOREF#784  -  []  215.96 237.06 0 top
NOREF#785  -  []  410.52 273.37 0 top
NOREF#786  -  []  273.09 288.31 90 top
NOREF#787  -  []  184.47 145.93 90 top
NOREF#788  -  []  96.33 238.84 0 top
NOREF#789  -  []  226.83 269.63 90 top
NOREF#790  -  []  118.45 231.77 0 top
NOREF#791  -  []  420.62 287.22 90 top
NOREF#792  -  []  166.06 148.4 90 top
NOREF#793  -  []  175.7 150.58 90 top
NOREF#794  -  []  352.25 183.59 90 top
NOREF#795  -  []  423.61 184.62 90 top
NOREF#796  -  []  385.32 161.49 90 top
NOREF#797  -  []  394.05 255.47 0 top
NOREF#798  -  []  36.1 129.71 90 top
NOREF#799  -  []  192.47 195.52 90 top
NOREF#800  -  []  257.9 246.99 0 top
NOREF#801  -  []  461.96 217.98 0 top
NOREF#802  -  []  253.33 181.33 90 top
NOREF#803  -  []  380.59 239.21 0 top
NOREF#804  -  []  394.66 242.38 90 top
NOREF#805  -  []  297.71 216.09 0 top
NOREF#806  -  []  115.99 130.36 90 top
NOREF#807  -  []  298.13 274.06 0 top
NOREF#808  -  []  260.83 234.63 90 top
NOREF#809  -  []  259.65 264.65 90 top
NOREF#810  -  []  375.73 193.43 0 top
NOREF#811  -  []  401.89 180.15 0 top
NOREF#812  -  []  218.13 274.06 0 top
NOREF#813  -  []  106.03 217.88 90 top
NOREF#814  -  []  456.08 230.2 0 top
NOREF#815  -  []  352.93 288.86 90 top
NOREF#816  -  []  368.28 281.11 0 top
NOREF#817  -  []  338.36 288.91 90 top
NOREF#818  -  []  184.47 176.66 90 top
NOREF#819  -  []  310.41 253.37 90 top
NOREF#820  -  []  328.96 164.74 0 top
NOREF#821  -  []  399.67 131.89 0 top
NOREF#822  -  []  400.34 194.68 90 top
NOREF#823  -  []  418.37 273.42 90 top
NOREF#824  -  []  406.65 271.21 90 top
NOREF#825  -  []  221.56 250.49 0 top
NOREF#826  -  []  274.67 286.96 0 top
NOREF#827  -  []  403.99 180.15 0 top
NOREF#828  -  []  405.93 256.92 90 top
NOREF#829  -  []  251.94 264.65 90 top
NOREF#830  -  []  297.83 234.63 90 top
NOREF#831  -  []  182.82 243.9 90 top
NOREF#832  -  []  511.59 276.41 90 top
NOREF#833  -  []  272.55 249.5 0 top
NOREF#834  -  []  251.38 224.74 90 top
NOREF#835  -  []  342.04 164.74 0 top
NOREF#836  -  []  331.06 223.82 90 top
NOREF#837  -  []  314.33 168.13 90 top
NOREF#838  -  []  420.62 271.47 90 top
NOREF#839  -  []  182.57 226.57 90 top
NOREF#840  -  []  201.91 159.1 90 top
NOREF#841  -  []  352.55 185.18 0 top
NOREF#842  -  []  304.61 131.64 0 top
NOREF#843  -  []  321.35 296.86 0 top
NOREF#844  -  []  253.4 204.35 90 top
NOREF#845  -  []  252.6 296.86 0 top
NOREF#846  -  []  229.05 211.67 0 top
NOREF#847  -  []  351.34 185.18 0 top
NOREF#848  -  []  263.95 164.74 90 top
NOREF#849  -  []  247.57 204.65 90 top
NOREF#850  -  []  250.73 265.55 0 top
NOREF#851  -  []  302.11 180.71 0 top
NOREF#852  -  []  239.33 243.63 90 top
NOREF#853  -  []  317.66 164.72 0 top
NOREF#854  -  []  475.04 239.09 0 top
NOREF#855  -  []  265.64 135.19 0 top
NOREF#856  -  []  412.6 161.74 0 top
NOREF#857  -  []  261.21 286.96 0 top
NOREF#858  -  []  310.41 246.34 90 top
NOREF#859  -  []  271.34 249.5 0 top
NOREF#860  -  []  477.24 239.09 0 top
NOREF#861  -  []  266.74 272.1 0 top
NOREF#862  -  []  373.73 207.21 0 top
NOREF#863  -  []  201.23 233.47 90 top
NOREF#864  -  []  334.29 205.56 90 top
NOREF#865  -  []  230.41 186.34 90 top
NOREF#866  -  []  419.65 256.92 90 top
NOREF#867  -  []  326.23 233.13 0 top
NOREF#868  -  []  332.51 205.56 90 top
NOREF#869  -  []  348.28 296.86 0 top
NOREF#870  -  []  103.93 235.64 90 top
NOREF#871  -  []  116.01 214.71 0 top
NOREF#872  -  []  448.94 292.92 90 top
NOREF#873  -  []  511.59 259.9 90 top
NOREF#874  -  []  168.69 273.5 90 top
NOREF#875  -  []  334.61 264.65 90 top
NOREF#876  -  []  332.61 296.86 0 top
NOREF#877  -  []  98.78 195.15 0 top
NOREF#878  -  []  351.04 249.18 0 top
NOREF#879  -  []  407.71 217.61 0 top
NOREF#880  -  []  351.58 288.86 0 top
NOREF#881  -  []  277.17 288.86 0 top
NOREF#882  -  []  177.33 146.68 90 top
NOREF#883  -  []  209.23 232.37 90 top
NOREF#884  -  []  167.7 204.09 90 top
NOREF#885  -  []  352.24 184.86 90 top
NOREF#886  -  []  118.99 166.5 90 top
